# KiCad board SparkFun_GNSS_Flex_Breakout_panelized.kicad_pcb (continued)
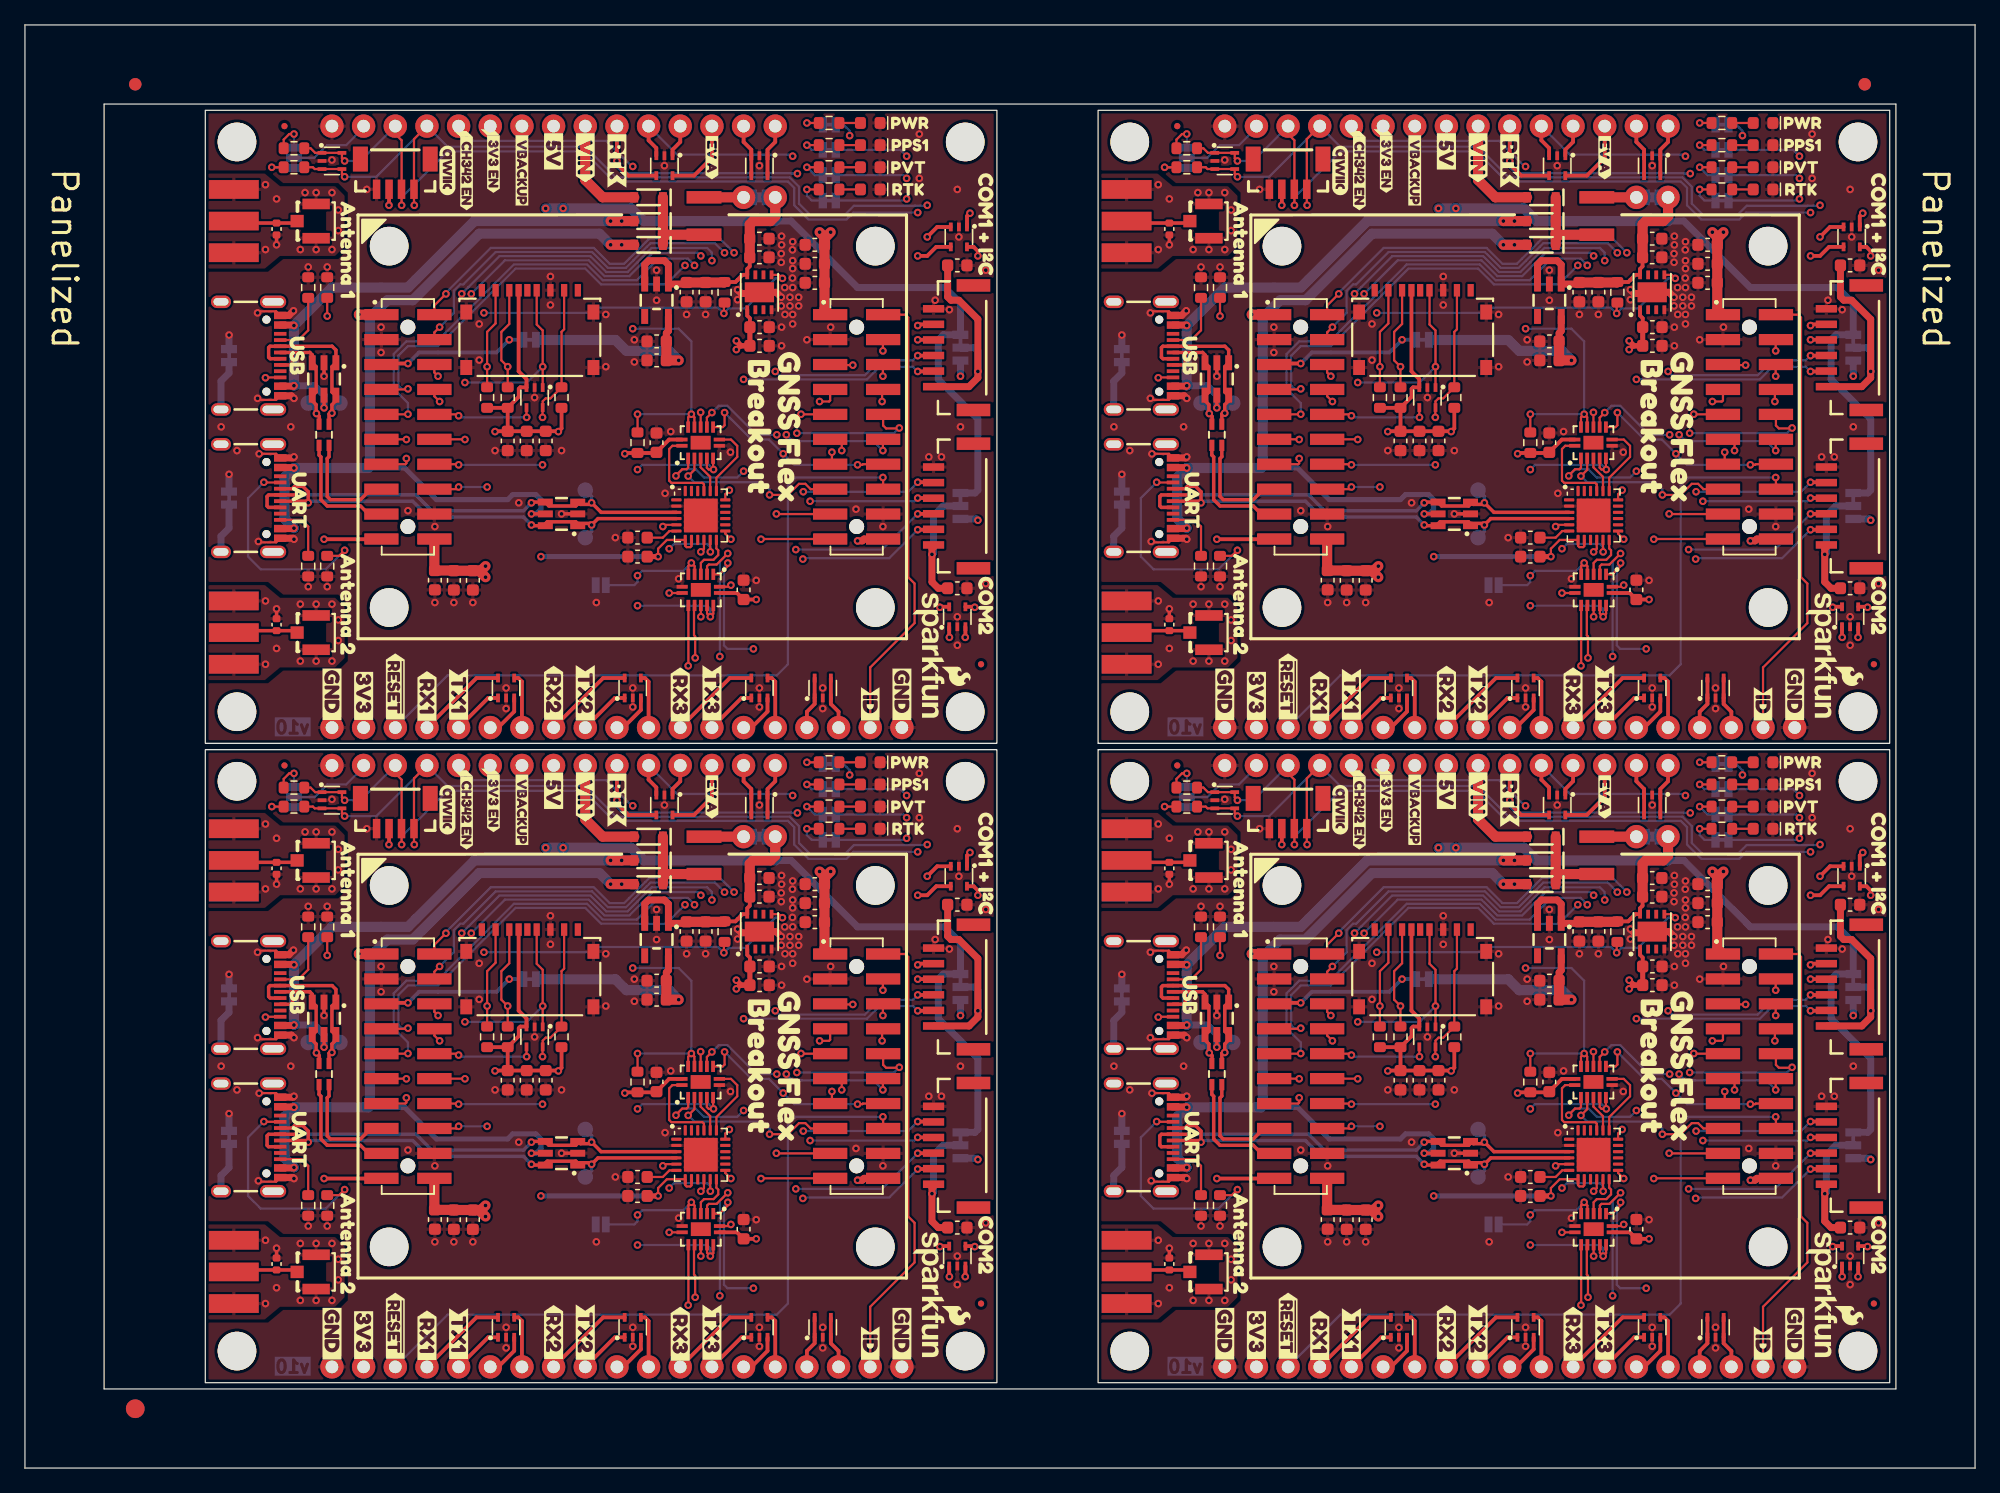
[diagram p0: board, top side]
## Nets (continued)
CTS3: D10.4 D10#2.4 D10#3.4 D10#4.4 J4.15 J4#2.15 J4#3.15 J4#4.15 J12.4 J12#2.4 J12#3.4 J12#4.4
EVENT_A: D8.5 D8#2.5 D8#3.5 D8#4.5 J3.13 J3#2.13 J3#3.13 J3#4.13 J11.6 J11#2.6 J11#3.6 J11#4.6
EVENT_B: D8.1 D8#2.1 D8#3.1 D8#4.1 J3.12 J3#2.12 J3#3.12 J3#4.12 J11.8 J11#2.8 J11#3.8 J11#4.8
ID: J4.18 J4#2.18 J4#3.18 J4#4.18 J12.2 J12#2.2 J12#3.2 J12#4.2
PPS1: D7.1 D7.5 D7#2.1 D7#2.5 D7#3.1 D7#3.5 D7#4.1 D7#4.5 J3.15 J3#2.15 J3#3.15 J3#4.15 J11.2 J11#2.2 J11#3.2 J11#4.2 PPS1.2 PPS1#2.2 PPS1#3.2 PPS1#4.2
PPS2: D7.3 D7.4 D7#2.3 D7#2.4 D7#3.3 D7#3.4 D7#4.3 D7#4.4 J3.14 J3#2.14 J3#3.14 J3#4.14 J11.4 J11#2.4 J11#3.4 J11#4.4
PVT_LED: D8.3 D8#2.3 D8#3.3 D8#4.3 J3.11 J3#2.11 J3#3.11 J3#4.11 J11.9 J11#2.9 J11#3.9 J11#4.9 PVT1.2 PVT1#2.2 PVT1#3.2 PVT1#4.2
RTK_LED: D8.4 D8#2.4 D8#3.4 D8#4.4 J3.10 J3#2.10 J3#3.10 J3#4.10 J11.7 J11#2.7 J11#3.7 J11#4.7 RTK1.2 RTK1#2.2 RTK1#3.2 RTK1#4.2
RTS1: D13.3 D13#2.3 D13#3.3 D13#4.3 J4.6 J4#2.6 J4#3.6 J4#4.6 J12.17 J12#2.17 J12#3.17 J12#4.17 U3.10 U3#2.10 U3#3.10 U3#4.10
RTS2: D12.3 D12#2.3 D12#3.3 D12#4.3 D14.4 D14#2.4 D14#3.4 D14#4.4 J4.10 J4#2.10 J4#3.10 J4#4.10 J5.5 J5#2.5 J5#3.5 J5#4.5 J12.9 J12#2.9 J12#3.9 J12#4.9 U5.10 U5#2.10 U5#3.10 U5#4.10
RTS3: D10.3 D10#2.3 D10#3.3 D10#4.3 J4.14 J4#2.14 J4#3.14 J4#4.14 J12.5 J12#2.5 J12#3.5 J12#4.5
RX1: D13.5 D13#2.5 D13#3.5 D13#4.5 D16.5 D16#2.5 D16#3.5 D16#4.5 J4.4 J4#2.4 J4#3.4 J4#4.4 J12.19 J12#2.19 J12#3.19 J12#4.19 J13.2 J13#2.2 J13#3.2 J13#4.2 U3.2 U3#2.2 U3#3.2 U3#4.2
RX2: D12.5 D12#2.5 D12#3.5 D12#4.5 D14.1 D14#2.1 D14#3.1 D14#4.1 J4.8 J4#2.8 J4#3.8 J4#4.8 J5.3 J5#2.3 J5#3.3 J5#4.3 J12.12 J12#2.12 J12#3.12 J12#4.12 U5.2 U5#2.2 U5#3.2 U5#4.2
RX3: D10.5 D10#2.5 D10#3.5 D10#4.5 J4.12 J4#2.12 J4#3.12 J4#4.12 J12.8 J12#2.8 J12#3.8 J12#4.8
RX4: D11.1 D11.5 D11#2.1 D11#2.5 D11#3.1 D11#3.5 D11#4.1 D11#4.5 J4.16 J4#2.16 J4#3.16 J4#4.16 J12.13 J12#2.13 J12#3.13 J12#4.13
SCL: D15.3 D15.4 D15#2.3 D15#2.4 D15#3.3 D15#3.4 D15#4.3 D15#4.4 D16.3 D16#2.3 D16#3.3 D16#4.3 J3.4 J3#2.4 J3#3.4 J3#4.4 J11.13 J11#2.13 J11#3.13 J11#4.13 J13.4 J13#2.4 J13#3.4 J13#4.4 J14.4 J14#2.4 J14#3.4 J14#4.4 R9.1 R9#2.1 R9#3.1 R9#4.1
SD_CLK: D1.1 D1#2.1 D1#3.1 D1#4.1 J1.5 J1#2.5 J1#3.5 J1#4.5 J11.12 J11#2.12 J11#3.12 J11#4.12
SD_CMD: D1.4 D1#2.4 D1#3.4 D1#4.4 J1.3 J1#2.3 J1#3.3 J1#4.3 J11.10 J11#2.10 J11#3.10 J11#4.10 R2.1 R2#2.1 R2#3.1 R2#4.1
SD_DAT0: D1.5 D1#2.5 D1#3.5 D1#4.5 J1.7 J1#2.7 J1#3.7 J1#4.7 J11.14 J11#2.14 J11#3.14 J11#4.14 R1.1 R1#2.1 R1#3.1 R1#4.1
SD_DAT3: J1.2 J1#2.2 J1#3.2 J1#4.2 J11.16 J11#2.16 J11#3.16 J11#4.16 R4.1 R4#2.1 R4#3.1 R4#4.1
SDA: D15.1 D15.5 D15#2.1 D15#2.5 D15#3.1 D15#3.5 D15#4.1 D15#4.5 D16.4 D16#2.4 D16#3.4 D16#4.4 J3.3 J3#2.3 J3#3.3 J3#4.3 J11.11 J11#2.11 J11#3.11 J11#4.11 J13.5 J13#2.5 J13#3.5 J13#4.5 J14.3 J14#2.3 J14#3.3 J14#4.3 R8.2 R8#2.2 R8#3.2 R8#4.2
TX1: D13.1 D13#2.1 D13#3.1 D13#4.1 D16.1 D16#2.1 D16#3.1 D16#4.1 J4.5 J4#2.5 J4#3.5 J4#4.5 J12.15 J12#2.15 J12#3.15 J12#4.15 J13.3 J13#2.3 J13#3.3 J13#4.3 U3.3 U3#2.3 U3#3.3 U3#4.3
TX2: D12.1 D12#2.1 D12#3.1 D12#4.1 D14.5 D14#2.5 D14#3.5 D14#4.5 J4.9 J4#2.9 J4#3.9 J4#4.9 J5.2 J5#2.2 J5#3.2 J5#4.2 J12.10 J12#2.10 J12#3.10 J12#4.10 U5.3 U5#2.3 U5#3.3 U5#4.3
TX3: D10.1 D10#2.1 D10#3.1 D10#4.1 J4.13 J4#2.13 J4#3.13 J4#4.13 J12.6 J12#2.6 J12#3.6 J12#4.6
TX4: D11.3 D11.4 D11#2.3 D11#2.4 D11#3.3 D11#3.4 D11#4.3 D11#4.4 J4.17 J4#2.17 J4#3.17 J4#4.17 J12.11 J12#2.11 J12#3.11 J12#4.11
USB1_D+: J11.17 J11#2.17 J11#3.17 J11#4.17 TR2.4 TR2#2.4 TR2#3.4 TR2#4.4
USB1_D-: J11.15 J11#2.15 J11#3.15 J11#4.15 TR2.2 TR2#2.2 TR2#3.2 TR2#4.2
USB2_D+: D17.3 D17.4 D17#2.3 D17#2.4 D17#3.3 D17#3.4 D17#4.3 D17#4.4 J7.A6 J7.B6 J7#2.A6 J7#2.B6 J7#3.A6 J7#3.B6 J7#4.A6 J7#4.B6 TP9.1 TP9#2.1 TP9#3.1 TP9#4.1 U2.3 U2#2.3 U2#3.3 U2#4.3
USB2_D-: D17.1 D17.6 D17#2.1 D17#2.6 D17#3.1 D17#3.6 D17#4.1 D17#4.6 J7.A7 J7.B7 J7#2.A7 J7#2.B7 J7#3.A7 J7#3.B7 J7#4.A7 J7#4.B7 TP12.1 TP12#2.1 TP12#3.1 TP12#4.1 U2.4 U2#2.4 U2#3.4 U2#4.4
VBACKUP: J3.7 J3#2.7 J3#3.7 J3#4.7 J11.5 J11#2.5 J11#3.5 J11#4.5 VBACKUP.1.2 VBACKUP.1#2.2 VBACKUP.1#3.2 VBACKUP.1#4.2
VUSB1: D18.2 D18#2.2 D18#3.2 D18#4.2 D21.5 D21#2.5 D21#3.5 D21#4.5 J10.VBUS J10#2.VBUS J10#3.VBUS J10#4.VBUS J11.19 J11#2.19 J11#3.19 J11#4.19
VUSB2: C12.1 C12#2.1 C12#3.1 C12#4.1 D17.5 D17#2.5 D17#3.5 D17#4.5 D22.2 D22#2.2 D22#3.2 D22#4.2 J7.VBUS J7#2.VBUS J7#3.VBUS J7#4.VBUS U2.7 U2.8 U2#2.7 U2#2.8 U2#3.7 U2#3.8 U2#4.7 U2#4.8
~{RESET}: J4.3 J4#2.3 J4#3.3 J4#4.3 J12.16 J12#2.16 J12#3.16 J12#4.16
Net-(D2-A): D2.2 D2#2.2 D2#3.2 D2#4.2 R6.1 R6#2.1 R6#3.1 R6#4.1
Net-(D3-A): D3.2 D3#2.2 D3#3.2 D3#4.2 R7.1 R7#2.1 R7#3.1 R7#4.1
Net-(D5-A): D5.2 D5#2.2 D5#3.2 D5#4.2 R11.1 R11#2.1 R11#3.1 R11#4.1
Net-(D6-A): D6.2 D6#2.2 D6#3.2 D6#4.2 R12.1 R12#2.1 R12#3.1 R12#4.1
Net-(D9-A2): D9.2 D9#2.2 D9#3.2 D9#4.2 J2.1 J2#2.1 J2#3.1 J2#4.1 J9.1 J9#2.1 J9#3.1 J9#4.1
Net-(D18-K): D18.1 D18#2.1 D18#3.1 D18#4.1 D19.1 D19#2.1 D19#3.1 D19#4.1 D22.1 D22#2.1 D22#3.1 D22#4.1 F1.1 F1#2.1 F1#3.1 F1#4.1
Net-(D20-A2): D20.2 D20#2.2 D20#3.2 D20#4.2 J6.1 J6#2.1 J6#3.1 J6#4.1 J8.1 J8#2.1 J8#3.1 J8#4.1
Net-(D21-I/O1): D21.1 D21.6 D21#2.1 D21#2.6 D21#3.1 D21#3.6 D21#4.1 D21#4.6 J10.A7 J10.B7 J10#2.A7 J10#2.B7 J10#3.A7 J10#3.B7 J10#4.A7 J10#4.B7 TP14.1 TP14#2.1 TP14#3.1 TP14#4.1 TR2.1 TR2#2.1 TR2#3.1 TR2#4.1
Net-(D21-I/O2): D21.3 D21.4 D21#2.3 D21#2.4 D21#3.3 D21#3.4 D21#4.3 D21#4.4 J10.A6 J10.B6 J10#2.A6 J10#2.B6 J10#3.A6 J10#3.B6 J10#4.A6 J10#4.B6 TP10.1 TP10#2.1 TP10#3.1 TP10#4.1 TR2.3 TR2#2.3 TR2#3.3 TR2#4.3
Net-(J5-Pin_1): C23.2 C23#2.2 C23#3.2 C23#4.2 J5.1 J5#2.1 J5#3.1 J5#4.1 VOUT2.2 VOUT2#2.2 VOUT2#3.2 VOUT2#4.2
Net-(J7-CC1): J7.A5 J7#2.A5 J7#3.A5 J7#4.A5 R18.2 R18#2.2 R18#3.2 R18#4.2
Net-(J7-CC2): J7.B5 J7#2.B5 J7#3.B5 J7#4.B5 R17.2 R17#2.2 R17#3.2 R17#4.2
Net-(J7-SHIELD): J7.S J7#2.S J7#3.S J7#4.S SHLD2.2 SHLD2#2.2 SHLD2#3.2 SHLD2#4.2
Net-(J10-CC1): J10.A5 J10#2.A5 J10#3.A5 J10#4.A5 R20.2 R20#2.2 R20#3.2 R20#4.2
Net-(J10-CC2): J10.B5 J10#2.B5 J10#3.B5 J10#4.B5 R19.2 R19#2.2 R19#3.2 R19#4.2
Net-(J10-SHIELD): J10.S J10#2.S J10#3.S J10#4.S SHLD1.2 SHLD1#2.2 SHLD1#3.2 SHLD1#4.2
Net-(J13-Pin_1): C24.2 C24#2.2 C24#3.2 C24#4.2 J13.1 J13#2.1 J13#3.1 J13#4.1 VOUT1.2 VOUT1#2.2 VOUT1#3.2 VOUT1#4.2
Net-(JP1-A): F1.2 F1#2.2 F1#3.2 F1#4.2 JP1.1 JP1#2.1 JP1#3.1 JP1#4.1
Net-(JP2-A): JP2.1 JP2#2.1 JP2#3.1 JP2#4.1 R8.1 R8#2.1 R8#3.1 R8#4.1
Net-(JP2-C): JP2.3 JP2#2.3 JP2#3.3 JP2#4.3 R9.2 R9#2.2 R9#3.2 R9#4.2
Net-(PPS1-A): PPS1.1 PPS1#2.1 PPS1#3.1 PPS1#4.1 R12.2 R12#2.2 R12#3.2 R12#4.2
Net-(PVT1-A): PVT1.1 PVT1#2.1 PVT1#3.1 PVT1#4.1 R7.2 R7#2.2 R7#3.2 R7#4.2
Net-(PWR1-A): PWR1.1 PWR1#2.1 PWR1#3.1 PWR1#4.1 R6.2 R6#2.2 R6#3.2 R6#4.2
Net-(RTK1-A): R11.2 R11#2.2 R11#3.2 R11#4.2 RTK1.1 RTK1#2.1 RTK1#3.1 RTK1#4.1
Net-(U1-VOUT): C21.1 C21#2.1 C21#3.1 C21#4.1 C22.1 C22#2.1 C22#3.1 C22#4.1 U1.5 U1#2.5 U1#3.5 U1#4.5 VBACKUP.1.1 VBACKUP.1#2.1 VBACKUP.1#3.1 VBACKUP.1#4.1
Net-(U2-RXD0): U2.20 U2#2.20 U2#3.20 U2#4.20 U3.4 U3#2.4 U3#3.4 U3#4.4
Net-(U2-RXD1): U2.12 U2#2.12 U2#3.12 U2#4.12 U5.4 U5#2.4 U5#3.4 U5#4.4
Net-(U2-TXD0): U2.21 U2#2.21 U2#3.21 U2#4.21 U3.1 U3#2.1 U3#3.1 U3#4.1
Net-(U2-TXD1): U2.13 U2#2.13 U2#3.13 U2#4.13 U5.1 U5#2.1 U5#3.1 U5#4.1
Net-(U2-V3): C11.1 C11#2.1 C11#3.1 C11#4.1 U2.6 U2#2.6 U2#3.6 U2#4.6
Net-(U2-~{CTS0}): U2.18 U2#2.18 U2#3.18 U2#4.18 U3.11 U3#2.11 U3#3.11 U3#4.11
Net-(U2-~{CTS1}): U2.10 U2#2.10 U2#3.10 U2#4.10 U5.11 U5#2.11 U5#3.11 U5#4.11
Net-(U2-~{RTS0}): U2.19 U2#2.19 U2#3.19 U2#4.19 U3.8 U3#2.8 U3#3.8 U3#4.8
Net-(U2-~{RTS1}): U2.11 U2#2.11 U2#3.11 U2#4.11 U5.8 U5#2.8 U5#3.8 U5#4.8

Pads without a net: J1 1 8 9; J1#2 1 8 9; J1#3 1 8 9; J1#4 1 8 9; J5 NC1 NC2; J5#2 NC1 NC2; J5#3 NC1 NC2; J5#4 NC1 NC2; J7 A8 B8 NC1 NC2 NC3; J7#2 A8 B8 NC1 NC2 NC3; J7#3 A8 B8 NC1 NC2 NC3; J7#4 A8 B8 NC1 NC2 NC3; J10 A8 B8 NC1 NC2 NC3; J10#2 A8 B8 NC1 NC2 NC3; J10#3 A8 B8 NC1 NC2 NC3; J10#4 A8 B8 NC1 NC2 NC3; J13 NC1 NC2; J13#2 NC1 NC2; J13#3 NC1 NC2; J13#4 NC1 NC2; J14 NC1 NC2; J14#2 NC1 NC2; J14#3 NC1 NC2; J14#4 NC1 NC2; U1 4; U1#2 4; U1#3 4; U1#4 4; U2 1 9 14 15 16 17 22 23 24; U2#2 1 9 14 15 16 17 22 23 24; U2#3 1 9 14 15 16 17 22 23 24; U2#4 1 9 14 15 16 17 22 23 24; U3 EP; U3#2 EP; U3#3 EP; U3#4 EP; U4 2 3 6 7; U4#2 2 3 6 7; U4#3 2 3 6 7; U4#4 2 3 6 7; U5 EP; U5#2 EP; U5#3 EP; U5#4 EP

## Via types
v1: diameter 0.61, hole 0.305, Top to Bottom, 1180 vias

## Routing (per net, layer and track width the routed paths; a pad name or vN(x,y) marks a point on that pad's centre or on a via; arc(x,y) is an arc through that point)
3.3V: length 274.5
  Top w0.178: U2#2.5 122.93,24.39 v1(122.79,24.25) ; v1(51.17,24.25) 51.31,24.39 U2.5 ; v1(122.79,75.55) 122.93,75.69 U2#3.5 ; U2#4.5 51.31,75.69 v1(51.17,75.55)
  Top w0.305: J14#3.2 29.21,101.34 v1(29.2,101.33) ; C8#3.1 C9#4.1 C7#4.1 42.77,83.19 v1(42.79,83.17) 43.05,83.42 R1#2.2 ; C8#3.1 R2.2 ; C8#3.1 37.74,83.19 v1(37.71,83.17) ; J1#4.4 39.61,36.71 40.24,36.08 D1.3 40.21,35.42 39.74,35.42 39.62,35.3 39.62,34.66 R2#3.2 ; U3#3.14 51.68,31.23 50.66,30.22 C13.1 50.62,30.16 R5#4.2 48.19,30.16 v1(48.12,30.09) ; v1(100.82,50.03) 100.83,50.04 J14#2.2 ; J1.4 39.61,88.01 40.24,87.38 D1#3.3 40.21,86.72 39.74,86.72 39.62,86.6 39.62,85.96 R2.2 ; U5.14 128.75,70.22 C14#4.1 v1(130.29,69.69) ; J14#4.2 29.21,50.04 v1(29.2,50.03) ; C17#4.1 58.16,92.26 57.94,92.47 57.94,92.94 ; U5#4.14 57.12,70.22 C14.1 v1(58.67,69.69) ; R1#3.2 43.05,32.12 v1(42.79,31.87) 42.77,31.89 38.73,31.89 ; R2#2.2 110.35,31.89 ; R2#2.2 R4#4.2 ; R2#2.2 111.24,34.66 111.24,35.3 111.36,35.42 111.83,35.42 D1#4.3 111.86,36.08 111.22,36.71 J1#2.4 ; 110.35,31.89 114.39,31.89 v1(114.41,31.87) 114.66,32.12 R1#4.2 ; 110.35,31.89 109.36,31.89 v1(109.33,31.87) ; C8.1 C9.1 C7.1 114.39,83.19 v1(114.41,83.17) 114.66,83.42 R1.2 ; C8.1 109.36,83.19 v1(109.33,83.17) ; C8.1 R2#4.2 ; U5#2.14 57.12,18.92 C14#3.1 v1(58.67,18.39) ; R2#4.2 R4#3.2 ; R2#4.2 111.24,85.96 111.24,86.6 111.36,86.72 111.83,86.72 D1#2.3 111.86,87.38 111.22,88.01 J1#3.4 ; U3#4.14 51.68,82.53 50.66,81.52 C13#2.1 50.62,81.46 R5#3.2 48.19,81.46 v1(48.12,81.39) ; v1(119.75,81.39) 119.81,81.46 R5#2.2 122.24,81.46 C13#3.1 122.28,81.52 123.3,82.53 U3.14 ; v1(119.75,30.09) 119.81,30.16 R5.2 122.24,30.16 C13#4.1 122.28,30.22 123.3,31.23 U3#2.14 ; 38.73,31.89 R2#3.2 ; 38.73,31.89 37.74,31.89 v1(37.71,31.87) ; 57.94,41.64 57.94,41.17 58.16,40.96 C17#2.1 ; R2.2 R4#2.2 ; R2#3.2 R4.2 ; U4#2.1 129.56,41.17 129.78,40.96 C17#3.1 ; v1(100.82,101.33) 100.83,101.34 J14.2 ; v1(130.29,18.39) C14#2.1 128.75,18.92 U5#3.14 ; C17.1 129.78,92.26 129.56,92.47 U4.1
  Top w0.406: v1(57.07,39.15) 57.47,38.75 C18#3.1 ; C18#2.1 57.37,90.05 v1(57.07,89.75) ; C18#2.1 C17#4.1 ; C18#2.1 57.47,90.05 v1(57.07,90.45) ; C18#4.1 C17.1 ; C18#4.1 128.99,90.05 v1(128.69,89.75) ; C18#4.1 129.09,90.05 v1(128.69,90.45) ; C18#3.1 C17#2.1 ; C18#3.1 57.37,38.75 v1(57.07,38.45) ; C18.1 128.99,38.75 v1(128.69,38.45) ; C18.1 C17#3.1 ; C18.1 129.09,38.75 v1(128.69,39.15)
  Top w0.559: v1(138.41,23.1) 138.79,23.1 138.94,23.25 J12#4.20 ; v1(66.79,74.4) 67.17,74.4 67.32,74.55 J12#2.20 ; v1(138.41,74.4) 138.79,74.4 138.94,74.55 J12#3.20 ; J12.20 67.32,23.25 67.17,23.1 v1(66.79,23.1)
  Top w0.813: C1#3.1 C5.1 C4#2.1 64.14,93 J12#2.1 ; C1#3.1 64.14,98.68 v1(64.64,99.17) ; C1#3.1 64.14,98.78 v1(63.75,99.17) ; v1(108.57,71.48) 108.05,72.01 C2#4.1 ; v1(64.64,47.87) 64.14,47.38 C1.1 ; J11.20 32.84,20.76 C6#3.1 34.4,20.72 C10#2.1 C2#3.1 ; v1(36.95,72.37) 36.58,72.01 C2#2.1 ; v1(63.75,47.87) 64.14,47.48 C1.1 ; v1(98.41,92.57) 98.43,92.55 J11#3.1 ; v1(135.37,47.87) 135.76,47.48 C1#2.1 ; C2#4.1 108.2,72.01 v1(108.57,72.37) ; C2#4.1 C10#3.1 106.02,72.02 C6#4.1 104.47,72.06 J11#3.20 ; C2#2.1 C10#4.1 34.4,72.02 C6#2.1 32.84,72.06 J11#4.20 ; C2#2.1 36.43,72.01 v1(36.95,71.48) ; J11#2.20 104.47,20.76 C6.1 106.02,20.72 C10.1 C2.1 ; J11#4.1 26.81,92.55 v1(26.79,92.57) ; v1(135.37,99.17) 135.76,98.78 C1#4.1 ; C2.1 108.2,20.71 v1(108.57,21.07) ; C2.1 108.05,20.71 v1(108.57,20.19) ; C1#4.1 C5#4.1 C4#3.1 135.76,93 J12#3.1 ; C1#4.1 135.76,98.68 v1(136.25,99.17) ; C2#3.1 36.43,20.71 v1(36.95,20.19) ; C2#3.1 36.58,20.71 v1(36.95,21.07) ; J12.1 64.14,41.7 C4#4.1 C5#3.1 C1.1 ; C1#2.1 C5#2.1 C4.1 135.76,41.7 J12#4.1 ; C1#2.1 135.76,47.38 v1(136.25,47.87) ; v1(98.41,41.27) 98.43,41.25 J11#2.1 ; J11.1 26.81,41.25 v1(26.79,41.27)
  Bottom w0.178: J3#4.2 27.17,107.55 25.77,106.16 24.25,106.16 23.23,105.14 JP2#4.2 ; JP2#2.2 23.23,53.84 24.25,54.86 25.77,54.86 27.17,56.25 J3.2 ; v1(66.16,55.62) 66.16,56 65.66,56.5 PWR1#2.2 ; v1(137.78,106.92) 137.78,107.3 137.28,107.8 PWR1#4.2 ; PWR1#3.2 137.28,56.5 137.78,56 v1(137.78,55.62) ; JP2.2 94.85,105.14 95.87,106.16 97.39,106.16 98.79,107.55 J3#3.2 ; v1(66.16,106.92) 66.16,107.3 65.66,107.8 PWR1.2 ; JP2#3.2 94.85,53.84 95.87,54.86 97.39,54.86 98.79,56.25 J3#2.2
  Bottom w0.559: VOUT1#4.3 v1(75.05,36.31) ; VOUT2#4.3 147.96,24.86 v1(148.07,24.76) ; VOUT2#3.3 147.96,76.16 v1(148.07,76.06) ; VOUT1#2.3 v1(146.67,36.31) ; v1(76.45,24.76) 76.34,24.86 VOUT2#2.3 ; VOUT2.3 76.34,76.16 v1(76.45,76.06) ; VOUT1#3.3 v1(146.67,87.61) ; VOUT1.3 v1(75.05,87.61)
3V3_EN: length 170.2
  Top w0.178: U4#4.5 60.47,44.45 60.75,44.17 v1(60.77,44.17) ; v1(132.39,95.47) 132.37,95.47 132.09,95.75 131.52,95.75 ; v1(127.69,92.65) 127.69,93.46 R3#3.1 ; R3.1 56.07,93.46 v1(56.07,92.65) ; v1(56.07,41.35) 56.07,42.16 R3#4.1 ; v1(127.69,41.35) 127.69,42.16 R3#2.1 ; 131.52,44.45 132.09,44.45 132.37,44.17 v1(132.39,44.17) ; 59.9,95.75 60.47,95.75 60.75,95.47 v1(60.77,95.47)
  L3.Cu w0.178: v1(108.44,41.39) 108.95,41.9 J3#2.6 ; J3#4.6 37.33,93.2 v1(36.82,92.69) ; J3.6 37.33,41.9 v1(36.82,41.39) ; v1(108.44,92.69) 108.95,93.2 J3#3.6
  Bottom w0.178: v1(108.44,41.39) 116.82,41.39 117.24,41.81 127.23,41.81 v1(127.69,41.35) 128.09,41.75 129.41,41.75 131.82,44.17 v1(132.39,44.17) ; v1(108.44,92.69) 116.82,92.69 117.24,93.11 127.23,93.11 v1(127.69,92.65) 128.09,93.05 129.41,93.05 131.82,95.47 v1(132.39,95.47) ; v1(60.77,95.47) 60.2,95.47 57.79,93.05 56.47,93.05 v1(56.07,92.65) 55.61,93.11 45.62,93.11 45.2,92.69 v1(36.82,92.69) ; v1(36.82,41.39) 45.2,41.39 45.62,41.81 55.61,41.81 v1(56.07,41.35) 56.47,41.75 57.79,41.75 60.2,44.17 v1(60.77,44.17)
5V: length 342.2
  Top w0.305: C16#2.1 58.15,96.43 57.94,96.22 57.94,95.75 57.56,95.75 57.17,95.35 57.17,95.34 57,95.17 R3.2 ; R3#3.2 128.62,95.17 128.79,95.34 128.79,95.35 129.19,95.75 129.56,95.75 129.56,96.22 129.77,96.43 C16.1 ; C16#4.1 58.15,45.12 57.94,44.92 57.94,44.45 57.56,44.45 57.17,44.05 57.17,44.03 57,43.87 R3#4.2 ; R3#2.2 128.62,43.87 128.79,44.03 128.79,44.05 129.19,44.45 U4#2.8 129.56,44.92 129.77,45.12 C16#3.1
  Top w0.559: U1.3 49.72,45.28 50.03,45.59 51.3,45.59 51.62,45.27 U1.1 52.96,43.71 C20#2.1 ; U1#3.3 121.34,45.28 121.65,45.59 122.92,45.59 123.24,45.27 U1#3.1 124.58,43.71 C20#3.1 ; U1#4.3 49.72,96.58 50.03,96.89 51.3,96.89 51.62,96.56 U1#4.1 52.96,95.01 C20#4.1 ; C20.1 124.58,95.01 U1#2.1 123.24,96.56 122.92,96.89 121.65,96.89 121.34,96.58 U1#2.3
  Top w0.813: C20.1 C19#2.1 127.71,95.13 R3#3.2 ; JP1#3.2 60.19,100.44 59.81,100.06 58.41,100.06 58.15,99.79 C15#3.1 C16#2.1 ; C20#2.1 C19.1 56.09,43.83 R3#4.2 ; R3#2.2 127.71,43.83 C19#3.1 C20#3.1 ; C16#4.1 C15#4.1 58.15,48.49 58.41,48.76 59.81,48.76 60.19,49.14 JP1#4.2 ; JP1.2 131.81,49.14 131.43,48.76 130.03,48.76 129.77,48.49 C15#2.1 C16#3.1 ; C16.1 C15.1 129.77,99.79 130.03,100.06 131.43,100.06 131.81,100.44 JP1#2.2 ; R3.2 56.09,95.13 C19#4.1 C20#4.1
  L3.Cu w0.813: J3#3.8 114.03,101.08 ; 114.03,101.08 v1(113.4,101.08) ; 114.03,101.08 v1(114.79,101.08) ; J3.8 42.41,49.78 ; 42.41,49.78 v1(43.17,49.78) ; 42.41,49.78 v1(41.78,49.78) ; J3#2.8 114.03,49.78 ; 114.03,49.78 v1(113.4,49.78) ; 114.03,49.78 v1(114.79,49.78) ; v1(41.78,101.08) 42.41,101.08 ; 42.41,101.08 J3#4.8 ; 42.41,101.08 v1(43.17,101.08)
  Bottom w0.559: 131.81,100.06 133.08,100.06 138.41,94.73 145.4,94.73 146.67,93.46 VOUT1#3.1 145.3,90.94 144.89,90.53 144.89,87.36 148.07,84.19 148.07,78.47 147.84,78.24 VOUT2#3.1 ; 131.81,48.76 133.08,48.76 138.41,43.43 145.4,43.43 146.67,42.16 VOUT1#2.1 145.3,39.64 144.89,39.23 144.89,36.06 148.07,32.89 148.07,27.17 147.84,26.94 VOUT2#4.1 ; 60.19,100.06 61.46,100.06 66.79,94.73 73.78,94.73 75.05,93.46 VOUT1.1 73.68,90.94 73.27,90.53 73.27,87.36 76.45,84.19 76.45,78.47 76.22,78.24 VOUT2.1 ; VOUT2#2.1 76.22,26.94 76.45,27.17 76.45,32.89 73.27,36.06 73.27,39.23 73.68,39.64 VOUT1#4.1 75.05,42.16 73.78,43.43 66.79,43.43 61.46,48.76 60.19,48.76
  Bottom w0.813: v1(113.4,49.78) v1(114.79,49.78) 120.25,49.78 121.27,48.76 131.81,48.76 JP1.2 ; v1(41.78,101.08) v1(43.17,101.08) 48.63,101.08 49.65,100.06 60.19,100.06 JP1#3.2 ; v1(41.78,49.78) v1(43.17,49.78) 48.63,49.78 49.65,48.76 60.19,48.76 JP1#4.2 ; v1(113.4,101.08) v1(114.79,101.08) 120.25,101.08 121.27,100.06 131.81,100.06 JP1#2.2
GND: length 90.9
  Top w0.178: v1(18.73,74.35) 18.8,74.28 20.15,74.28 J7.GND ; J10#2.GND 20.15,34.41 18.79,34.41 v1(18.66,34.54) ; v1(90.28,85.84) 90.41,85.71 91.77,85.71 J10#3.GND ; v1(90.35,23.05) 90.42,22.98 91.77,22.98 J7#3.GND ; J10#4.GND 20.15,85.71 18.79,85.71 v1(18.66,85.84) ; J7.GND 20.15,81.39 18.8,81.39 v1(18.79,81.38) ; J10.GND 91.77,41.52 90.41,41.52 v1(90.28,41.39) ; v1(90.35,74.35) 90.42,74.28 91.77,74.28 J7#4.GND ; J10#2.GND 20.15,41.52 18.79,41.52 v1(18.66,41.39) ; v1(18.73,23.05) 18.8,22.98 20.15,22.98 J7#2.GND ; J10#3.GND 91.77,92.82 90.41,92.82 v1(90.28,92.69) ; v1(90.41,30.08) 90.42,30.09 91.77,30.09 J7#3.GND ; J7#4.GND 91.77,81.39 90.42,81.39 v1(90.41,81.38) ; J10#4.GND 20.15,92.82 18.79,92.82 v1(18.66,92.69) ; J7#2.GND 20.15,30.09 18.8,30.09 v1(18.79,30.08) ; v1(90.28,34.54) 90.41,34.41 91.77,34.41 J10.GND
  Top w0.278: D21#2.2 v1(24,87.61) ; D21.2 v1(95.62,36.31) ; D21#3.2 v1(95.62,87.61) ; D17#4.2 v1(114.66,76.56) ; D17#3.2 v1(114.66,25.27) ; D17#2.2 v1(43.05,76.56) ; D17.2 v1(43.05,25.27) ; D21#4.2 v1(24,36.31)
  Top w0.282: D20#3.1 v1(20.19,17.64) ; D9#3.1 v1(91.81,98.16) ; D20#4.1 v1(20.19,68.94) ; D20.1 v1(91.81,17.64) ; D20#2.1 v1(91.81,68.94) ; D9#2.1 v1(20.19,46.86) ; D9#4.1 v1(91.81,46.86) ; D9.1 v1(20.19,98.16)
  Top w0.559: J10.GND 92.79,41.19 v1(93.16,41.56) ; J10#3.GND 92.79,92.49 v1(93.16,92.86) ; v1(21.54,92.86) 21.17,92.49 J10#4.GND ; v1(21.58,81.14) 21.51,81.06 J7.GND ; v1(60.67,93.95) 60.28,94.34 U4#3.9 58.83,94.25 57.47,94.25 v1(57.17,94.55) ; v1(21.58,34.54) 21.38,34.74 J10#2.GND ; v1(132.29,42.65) 131.9,43.05 U4#2.9 130.44,42.95 129.09,42.95 v1(128.79,43.25) ; v1(93.2,85.84) 93,86.04 J10#3.GND ; v1(21.58,74.53) 21.51,74.61 J7.GND ; v1(93.2,81.14) 93.12,81.06 J7#4.GND ; v1(21.58,85.84) 21.38,86.04 J10#4.GND ; v1(21.58,23.23) 21.51,23.31 J7#2.GND ; v1(21.54,41.56) 21.17,41.19 J10#2.GND ; v1(60.67,42.65) 60.28,43.05 U4#4.9 58.83,42.95 57.47,42.95 v1(57.17,43.25) ; J7#3.GND 93.12,23.31 v1(93.2,23.23) ; J7#4.GND 93.12,74.61 v1(93.2,74.53) ; J7#2.GND 21.51,29.76 v1(21.58,29.84) ; v1(93.2,29.84) 93.12,29.76 J7#3.GND ; J10.GND 93,34.74 v1(93.2,34.54) ; v1(132.29,93.95) 131.9,94.34 U4.9 130.44,94.25 129.09,94.25 v1(128.79,94.55)
  Bottom w0.559: SHLD1#2.1 v1(16.38,39.62) ; SHLD2#3.1 v1(88,79.74) ; SHLD1#3.1 v1(16.38,90.92) ; SHLD2#4.1 v1(16.38,79.74) ; SHLD2#2.1 v1(16.38,28.44) ; SHLD1#4.1 v1(88,39.62) ; SHLD1.1 v1(88,90.92) ; SHLD2.1 v1(88,28.44)
  vias: v1(15.74,83.55) v1(15.74,32.25) v1(17.01,81.65) v1(17.01,30.34) v1(19.3,102.98) v1(19.3,97.77) v1(19.3,69.58) v1(19.3,64.5) v1(19.3,51.68) v1(19.3,46.47) v1(19.3,18.28) v1(19.3,13.2) v1(20.19,101.84) v1(20.19,65.77) v1(20.19,50.54) v1(20.19,14.47) v1(21.33,83.55) v1(21.33,32.25) v1(22.09,97.77) v1(22.09,69.33) v1(22.09,64.75) v1(22.09,46.47) v1(22.09,18.03) v1(22.09,13.45) v1(22.47,102.35) v1(22.47,51.05) v1(22.73,96.38) v1(22.73,70.72) v1(22.73,45.08) v1(22.73,19.42) v1(23.36,102.35) v1(23.36,97.77) v1(23.36,69.33) v1(23.36,64.75) v1(23.36,51.05) v1(23.36,46.47) v1(23.36,18.03) v1(23.36,13.45) v1(24.25,96.38) v1(24.25,70.72) v1(24.25,45.08) v1(24.25,19.42) v1(24.63,104.96) v1(24.63,102.35) v1(24.63,97.77) v1(24.63,69.33) v1(24.63,64.75) v1(24.63,53.66) v1(24.63,51.05) v1(24.63,46.47) v1(24.63,18.03) v1(24.63,13.45) v1(25.14,100.95) v1(25.14,99.3) v1(25.14,68.06) v1(25.14,66.41) v1(25.14,49.65) v1(25.14,48) v1(25.14,16.76) v1(25.14,15.11) v1(27.42,102.6) v1(27.42,51.3) v1(28.57,91.55) v1(28.57,89.52) v1(28.57,40.25) v1(28.57,38.22) v1(30.73,76.82) v1(30.73,25.52) v1(32.89,75.55) v1(32.89,69.45) v1(32.89,24.25) v1(32.89,18.15) v1(34.41,69.45) v1(34.41,18.15) v1(35.93,69.45) v1(35.93,18.15) v1(36.44,91.81) v1(36.44,88.91) v1(36.44,40.5) v1(36.44,37.61) v1(37.71,81.65) v1(37.71,30.34) v1(38.6,62.59) v1(38.6,60.94) v1(38.6,11.3) v1(38.6,9.64) v1(39.62,77.45) v1(39.62,26.15) v1(40.89,85.9) v1(40.89,34.6) v1(42.16,95.62) v1(42.16,93.33) v1(42.16,44.31) v1(42.16,42.03) v1(43.05,81.65) v1(43.05,30.34) v1(45.84,69.45) v1(45.84,18.15) v1(46.6,92.57) v1(46.6,88.38) v1(46.6,41.27) v1(46.6,37.08) v1(47.36,74.66) v1(47.36,23.36) v1(48.76,62.59) v1(48.76,61.07) v1(48.76,11.3) v1(48.76,9.77) v1(48.89,90.53) v1(48.89,88.76) v1(48.89,39.23) v1(48.89,37.46) v1(50.67,96.12) v1(50.67,93.71) v1(50.67,44.82) v1(50.67,42.41) v1(51.3,104.5) v1(51.3,53.2) v1(51.35,78.22) v1(51.35,26.92) v1(51.81,83.17) v1(51.81,31.87) v1(52.44,71.36) v1(52.44,20.06) v1(53.08,92.57) v1(53.08,41.27) v1(54.6,92.57) v1(54.6,41.27) v1(56.6,81.52) v1(56.6,30.22) v1(57.17,93.75) v1(57.17,42.45) v1(58.67,71.23) v1(58.67,19.93) v1(58.92,104.5) v1(58.92,62.59) v1(58.92,61.07) v1(58.92,53.2) v1(58.92,11.3) v1(58.92,9.77) v1(60.7,98.85) v1(60.7,98.15) v1(60.67,97.45) v1(60.67,96.75) v1(60.67,93.25) v1(60.7,91.55) v1(60.7,90.05) v1(60.7,47.55) v1(60.7,46.85) v1(60.67,46.15) v1(60.67,45.45) v1(60.67,41.95) v1(60.7,40.25) v1(60.7,38.75) v1(60.95,94.73) v1(60.97,92.57) v1(60.95,43.43) v1(60.97,41.27) v1(61.37,93.95) v1(61.37,93.25) v1(61.37,42.65) v1(61.37,41.95) v1(61.59,98.41) v1(61.57,97.75) v1(61.59,96.89) v1(61.59,96.25) v1(61.57,95.49) v1(61.59,94.73) v1(61.59,92.57) v1(61.59,91.81) v1(61.59,47.11) v1(61.57,46.45) v1(61.59,45.59) v1(61.59,44.95) v1(61.57,44.19) v1(61.59,43.43) v1(61.59,41.27) v1(61.59,40.5) v1(62.07,93.95) v1(62.07,93.25) v1(62.07,42.65) v1(62.07,41.95) v1(62.73,90.53) v1(62.73,39.23) v1(64,62.59) v1(64,60.94) v1(64,11.3) v1(64,9.64) v1(64.64,91.55) v1(64.64,40.25) v1(66.67,76.95) v1(66.67,25.65) v1(68.83,75.55) v1(68.83,24.25) v1(71.75,107.05) v1(71.75,103.49) v1(71.75,55.75) v1(71.75,52.19) v1(72.51,81.14) v1(72.51,29.84) v1(73.02,93.71) v1(73.02,42.41) v1(73.53,81.14) v1(73.53,29.84) v1(74.16,92.95) v1(74.16,41.65) v1(74.8,102.6) v1(74.8,68.31) v1(74.8,66.02) v1(74.8,51.3) v1(74.8,17.01) v1(74.8,14.72) v1(74.92,98.79) v1(74.92,47.49) v1(75.05,83.55) v1(75.05,32.25) v1(77.08,96.12) v1(77.08,70.98) v1(77.08,44.82) v1(77.08,19.68) v1(87.36,83.55) v1(87.36,32.25) v1(88.63,81.65) v1(88.63,30.34) v1(90.92,102.98) v1(90.92,97.77) v1(90.92,69.58) v1(90.92,64.5) v1(90.92,51.68) v1(90.92,46.47) v1(90.92,18.28) v1(90.92,13.2) v1(91.81,101.84) v1(91.81,65.77) v1(91.81,50.54) v1(91.81,14.47) v1(92.95,83.55) v1(92.95,32.25) v1(93.71,97.77) v1(93.71,69.33) v1(93.71,64.75) v1(93.71,46.47) v1(93.71,18.03) v1(93.71,13.45) v1(94.09,102.35) v1(94.09,51.05) v1(94.34,96.38) v1(94.34,70.72) v1(94.34,45.08) v1(94.34,19.42) v1(94.98,102.35) v1(94.98,97.77) v1(94.98,69.33) v1(94.98,64.75) v1(94.98,51.05) v1(94.98,46.47) v1(94.98,18.03) v1(94.98,13.45) v1(95.87,96.38) v1(95.87,70.72) v1(95.87,45.08) v1(95.87,19.42) v1(96.25,104.96) v1(96.25,102.35) v1(96.25,97.77) v1(96.25,69.33) v1(96.25,64.75) v1(96.25,53.66) v1(96.25,51.05) v1(96.25,46.47) v1(96.25,18.03) v1(96.25,13.45) v1(96.76,100.95) v1(96.76,99.3) v1(96.76,68.06) v1(96.76,66.41) v1(96.76,49.65) v1(96.76,48) v1(96.76,16.76) v1(96.76,15.11) v1(99.04,102.6) v1(99.04,51.3) v1(100.19,91.55) v1(100.19,89.52) v1(100.19,40.25) v1(100.19,38.22) v1(102.35,76.82) v1(102.35,25.52) v1(104.5,75.55) v1(104.5,69.45) v1(104.5,24.25) v1(104.5,18.15) v1(106.03,69.45) v1(106.03,18.15) v1(107.55,69.45) v1(107.55,18.15) v1(108.06,91.81) v1(108.06,88.91) v1(108.06,40.5) v1(108.06,37.61) v1(109.33,81.65) v1(109.33,30.34) v1(110.22,62.59) v1(110.22,60.94) v1(110.22,11.3) v1(110.22,9.64) v1(111.24,77.45) v1(111.24,26.15) v1(112.51,85.9) v1(112.51,34.6) v1(113.78,95.62) v1(113.78,93.33) v1(113.78,44.31) v1(113.78,42.03) v1(114.66,81.65) v1(114.66,30.34) v1(117.46,69.45) v1(117.46,18.15) v1(118.22,92.57) v1(118.22,88.38) v1(118.22,41.27) v1(118.22,37.08) v1(118.98,74.66) v1(118.98,23.36) v1(120.38,62.59) v1(120.38,61.07) v1(120.38,11.3) v1(120.38,9.77) v1(120.51,90.53) v1(120.51,88.76) v1(120.51,39.23) v1(120.51,37.46) v1(122.29,96.12) v1(122.29,93.71) v1(122.29,44.82) v1(122.29,42.41) v1(122.92,104.5) v1(122.92,53.2) v1(122.97,78.22) v1(122.97,26.92) v1(123.43,83.17) v1(123.43,31.87) v1(124.06,71.36) v1(124.06,20.06) v1(124.7,92.57) v1(124.7,41.27) v1(126.22,92.57) v1(126.22,41.27) v1(128.22,81.52) v1(128.22,30.22) v1(128.79,93.75) v1(128.79,42.45) v1(130.29,71.23) v1(130.29,19.93) v1(130.54,104.5) v1(130.54,62.59) v1(130.54,61.07) v1(130.54,53.2) v1(130.54,11.3) v1(130.54,9.77) v1(132.32,98.85) v1(132.32,98.15) v1(132.29,97.45) v1(132.29,96.75) v1(132.29,93.25) v1(132.32,91.55) v1(132.32,90.05) v1(132.32,47.55) v1(132.32,46.85) v1(132.29,46.15) v1(132.29,45.45) v1(132.29,41.95) v1(132.32,40.25) v1(132.32,38.75) v1(132.57,94.73) v1(132.59,92.57) v1(132.57,43.43) v1(132.59,41.27) v1(132.99,93.95) v1(132.99,93.25) v1(132.99,42.65) v1(132.99,41.95) v1(133.21,98.41) v1(133.19,97.75) v1(133.21,96.89) v1(133.21,96.25) v1(133.19,95.49) v1(133.21,94.73) v1(133.21,92.57) v1(133.21,91.81) v1(133.21,47.11) v1(133.19,46.45) v1(133.21,45.59) v1(133.21,44.95) v1(133.19,44.19) v1(133.21,43.43) v1(133.21,41.27) v1(133.21,40.5) v1(133.69,93.95) v1(133.69,93.25) v1(133.69,42.65) v1(133.69,41.95) v1(134.35,90.53) v1(134.35,39.23) v1(135.62,62.59) v1(135.62,60.94) v1(135.62,11.3) v1(135.62,9.64) v1(136.25,91.55) v1(136.25,40.25) v1(138.29,76.95) v1(138.29,25.65) v1(140.45,75.55) v1(140.45,24.25) v1(143.37,107.05) v1(143.37,103.49) v1(143.37,55.75) v1(143.37,52.19) v1(144.13,81.14) v1(144.13,29.84) v1(144.64,93.71) v1(144.64,42.41) v1(145.15,81.14) v1(145.15,29.84) v1(145.78,92.95) v1(145.78,41.65) v1(146.41,102.6) v1(146.41,68.31) v1(146.41,66.02) v1(146.41,51.3) v1(146.41,17.01) v1(146.41,14.72) v1(146.54,98.79) v1(146.54,47.49) v1(146.67,83.55) v1(146.67,32.25) v1(148.7,96.12) v1(148.7,70.98) v1(148.7,44.82) v1(148.7,19.68)
